# Altium PCB Hall Board.PcbDoc (part 1 of 4) (continued)
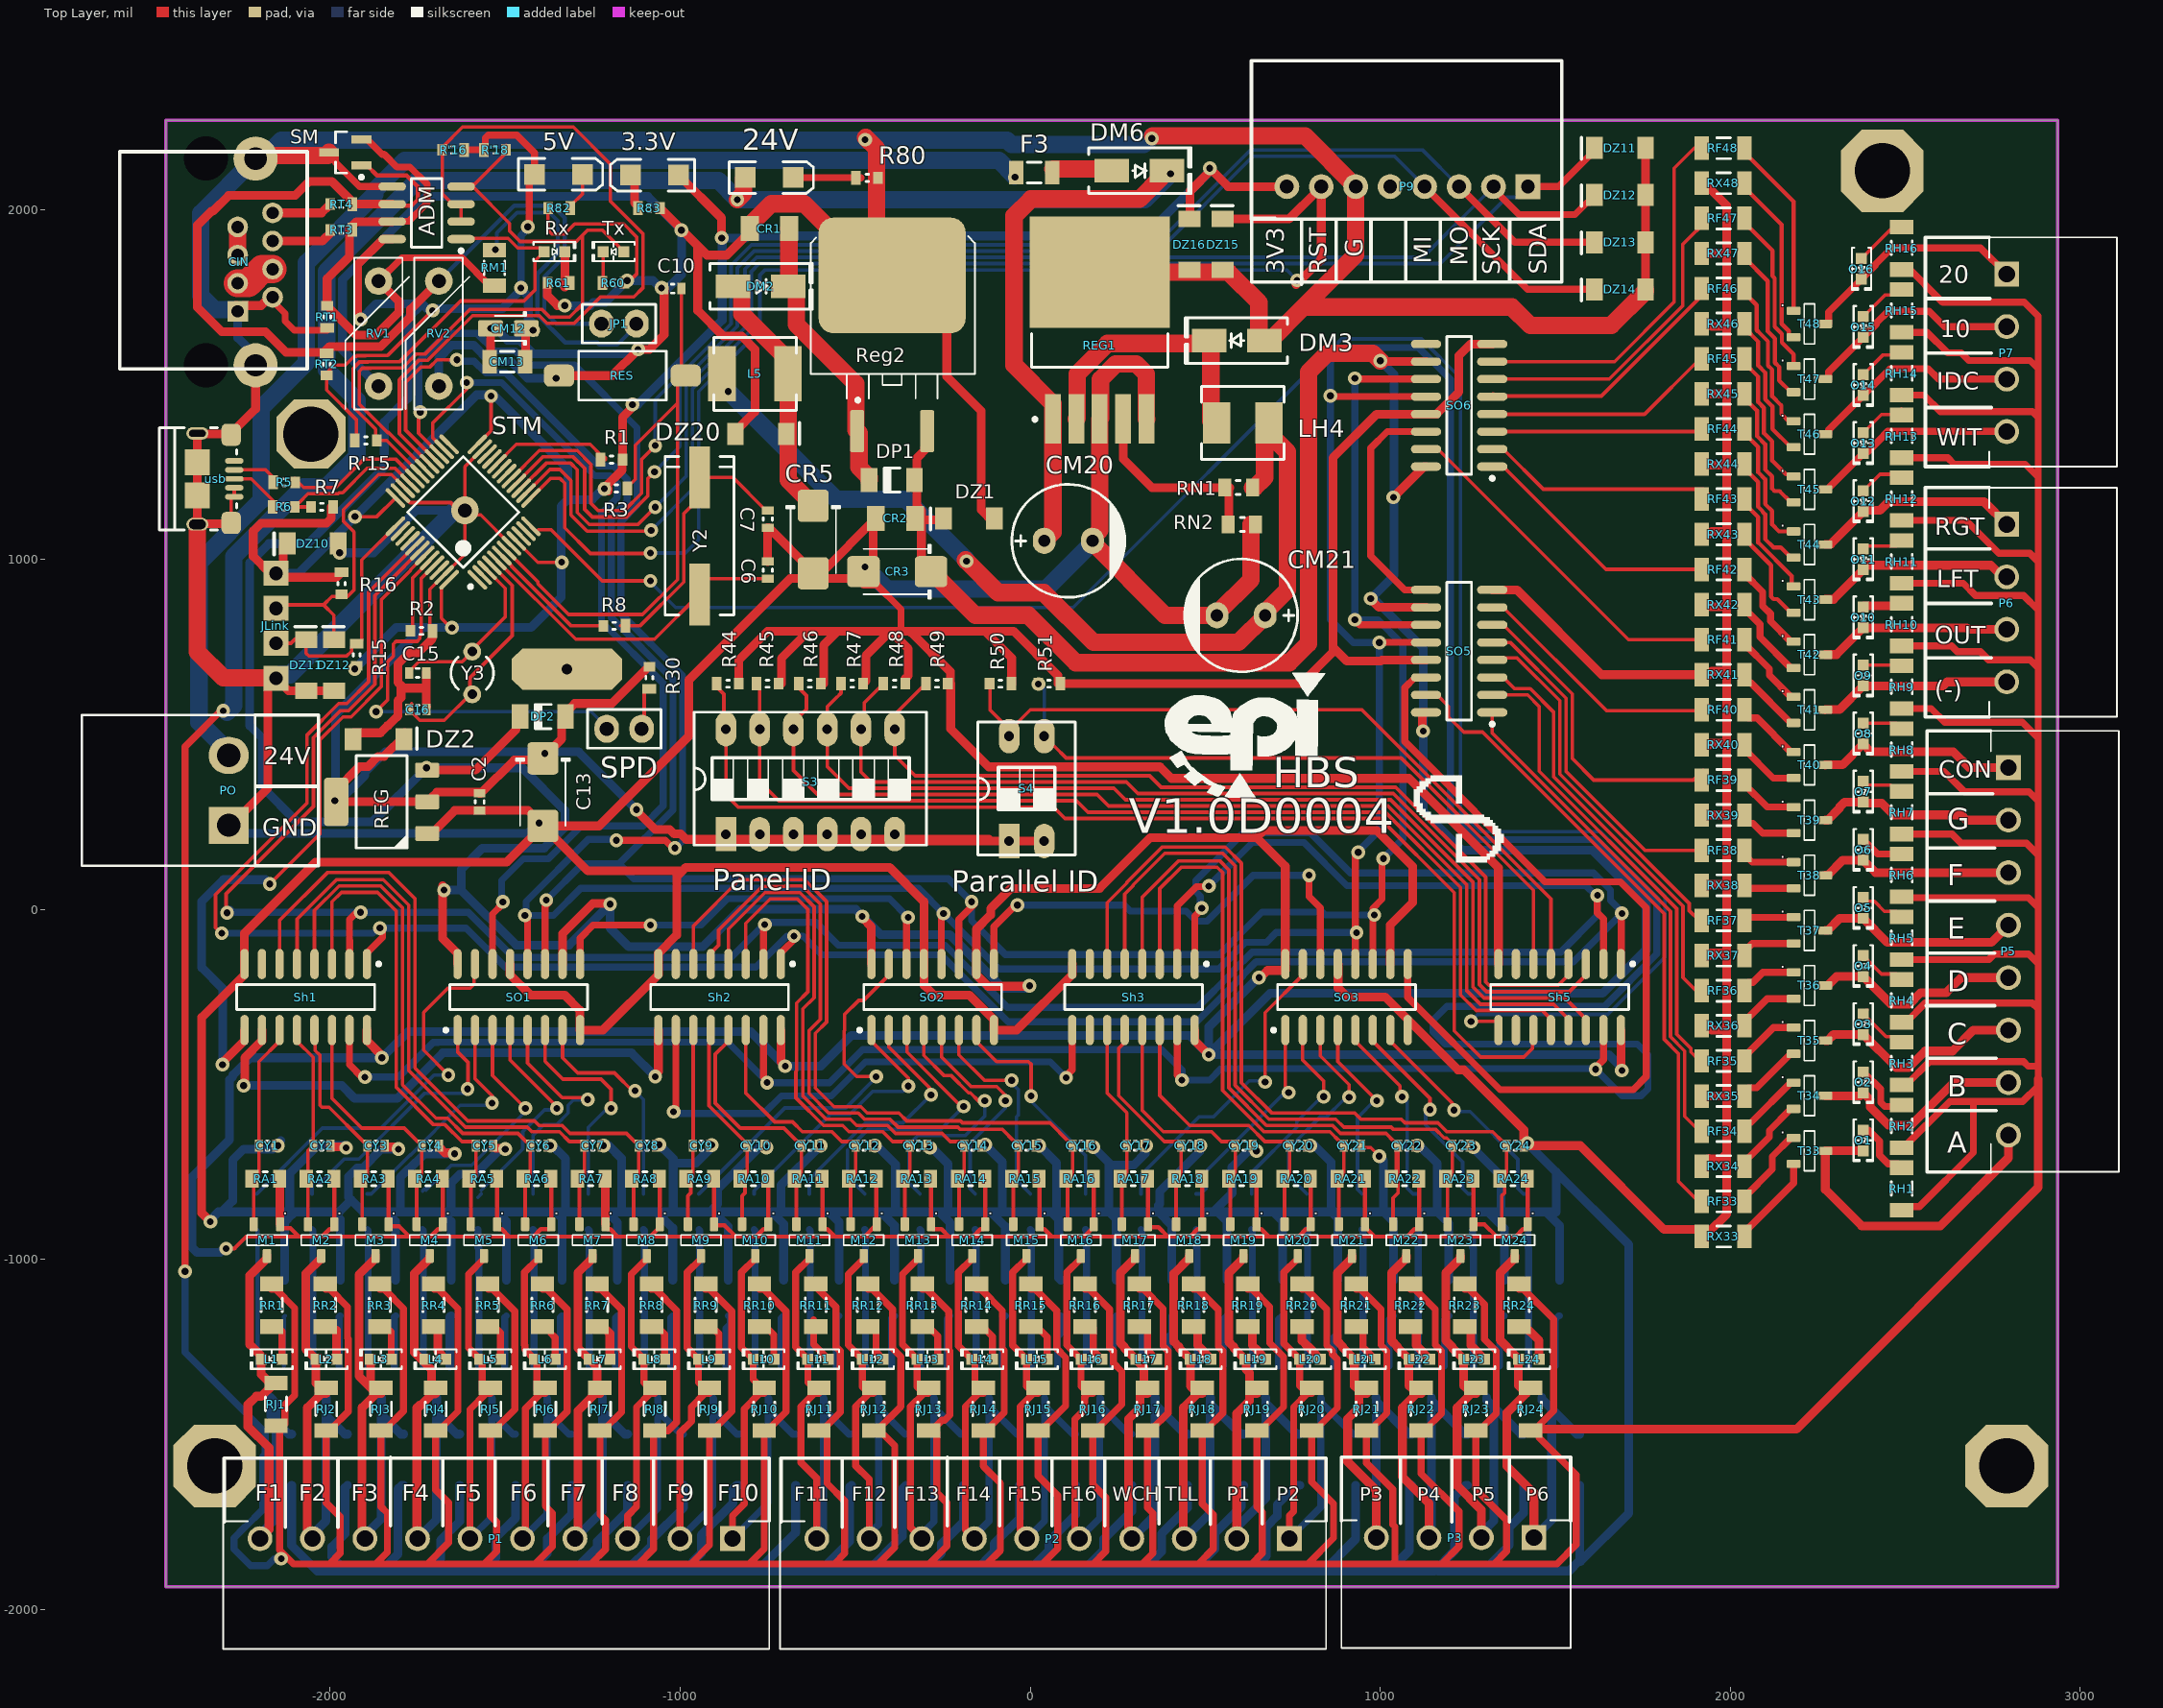
[diagram p0: Top Layer view]
## Components (designator, comment, footprint, x,y, rotation, side; value= is the part's Value field where it differs from the comment) (continued)
RX1 "20" "RES 1206" -2129.77,-1161.1 r90 bottom
RX2 "20" "RES 1206" -1971.4,-1161.1 r90 bottom
RX3 "20" "RES 1206" -1813.03,-1161.1 r90 bottom
RX4 "20" "RES 1206" -1654.65,-1161.1 r90 bottom
RX5 "20" "RES 1206" -1496.28,-1161.1 r90 bottom
RX6 "20" "RES 1206" -1337.91,-1161.1 r90 bottom
RX7 "20" "RES 1206" -1179.54,-1161.1 r90 bottom
RX8 "20" "RES 1206" -1021.17,-1161.1 r90 bottom
RX9 "20" "RES 1206" -862.8,-1161.1 r90 bottom
RX10 "20" "RES 1206" -704.43,-1161.1 r90 bottom
RX11 "20" "RES 1206" -546.06,-1161.1 r90 bottom
RX12 "20" "RES 1206" -387.69,-1161.1 r90 bottom
RX13 "20" "RES 1206" -229.32,-1161.1 r90 bottom
RX14 "20" "RES 1206" -70.95,-1161.1 r90 bottom
RX15 "20" "RES 1206" 87.42,-1161.1 r90 bottom
RX16 "20" "RES 1206" 245.79,-1161.1 r90 bottom
RX17 "20" "RES 1206" 404.16,-1161.1 r90 bottom
RX18 "20" "RES 1206" 562.53,-1161.1 r90 bottom
RX19 "20" "RES 1206" 720.9,-1161.1 r90 bottom
RX20 "20" "RES 1206" 879.27,-1161.1 r90 bottom
RX21 "20" "RES 1206" 1037.65,-1161.1 r90 bottom
RX22 "20" "RES 1206" 1196.02,-1161.1 r90 bottom
RX23 "20" "RES 1206" 1354.39,-1161.1 r90 bottom
RX24 "20" "RES 1206" 1512.76,-1161.1 r90 bottom
RX33 "20" "RES 1206" 2041.1,-934.45 r180 top
RX34 "20" "RES 1206" 2041.1,-733.84 r180 top
RX35 "20" "RES 1206" 2041.1,-533.23 r180 top
RX36 "20" "RES 1206" 2041.1,-332.62 r180 top
RX37 "20" "RES 1206" 2041.1,-132.01 r180 top
RX38 "20" "RES 1206" 2041.1,68.6 r180 top
RX39 "20" "RES 1206" 2041.1,269.21 r180 top
RX40 "20" "RES 1206" 2041.1,469.82 r180 top
RX41 "20" "RES 1206" 2041.1,670.43 r180 top
RX42 "20" "RES 1206" 2041.1,871.04 r180 top
RX43 "20" "RES 1206" 2041.1,1071.65 r180 top
RX44 "20" "RES 1206" 2041.1,1272.26 r180 top
RX45 "20" "RES 1206" 2041.1,1472.87 r180 top
RX46 "20" "RES 1206" 2041.1,1673.48 r180 top
RX47 "20" "RES 1206" 2041.1,1874.09 r180 top
RX48 "20" "RES 1206" 2041.1,2074.7 r180 top
S3 "SW DIP-6" "DIP Switch x6" -869.37,215 r90 top
S4 "SW DIP-2" "DIP Switch x2" -10,345 r0 top
Sh1 "74HC165" SO-16 -2070,-250.51 r270 top
Sh2 "74HC165" SO-16 -887.5,-250.51 r270 top
Sh3 "74HC165" SO-16 295,-250.51 r270 top
Sh5 "74HC165" SO-16 1512.74,-250.51 r270 top
SM "SM712 Diode" SOT23_BEC_M -1957.2,2162.72 r180 top
SO1 "74HCT595" SO-16 -1461.23,-250.51 r90 top
SO2 "74HCT595" SO-16 -278.73,-250.51 r90 top
SO3 "74HCT595" SO-16 903.77,-250.51 r90 top
SO5 "74HCT595" SO-16 1225.51,737.78 r180 top
SO6 "74HCT595" SO-16 1225.51,1440 r180 top
SPD "Jumper" "Jumper Small - 2.54 - GRAY" -1160,515.85 r180 top
STM "STM32F103CBT6" LQFP-48 -1620,1135 r135 top
T1 "BC848" SOT23-3 -2170,-1349.72 r270 bottom
T2 "BC848" SOT23-3 -2012.1,-1349.72 r270 bottom
T3 "BC848" SOT23-3 -1854.19,-1349.72 r270 bottom
T4 "BC848" SOT23-3 -1696.29,-1349.72 r270 bottom
T5 "BC848" SOT23-3 -1538.39,-1349.72 r270 bottom
T6 "BC848" SOT23-3 -1380.48,-1349.72 r270 bottom
T7 "BC848" SOT23-3 -1222.58,-1349.72 r270 bottom
T8 "BC848" SOT23-3 -1064.68,-1349.72 r270 bottom
T9 "BC848" SOT23-3 -906.77,-1349.72 r270 bottom
T10 "BC848" SOT23-3 -748.87,-1349.72 r270 bottom
T11 "BC848" SOT23-3 -590.97,-1349.72 r270 bottom
T12 "BC848" SOT23-3 -433.06,-1349.72 r270 bottom
T13 "BC848" SOT23-3 -275.16,-1349.72 r270 bottom
T14 "BC848" SOT23-3 -117.26,-1349.72 r270 bottom
T15 "BC848" SOT23-3 40.64,-1349.72 r270 bottom
T16 "BC848" SOT23-3 198.55,-1349.72 r270 bottom
T17 "BC848" SOT23-3 356.45,-1349.72 r270 bottom
T18 "BC848" SOT23-3 514.35,-1349.72 r270 bottom
T19 "BC848" SOT23-3 672.26,-1349.72 r270 bottom
T20 "BC848" SOT23-3 830.16,-1349.72 r270 bottom
T21 "BC848" SOT23-3 988.06,-1349.72 r270 bottom
T22 "BC848" SOT23-3 1145.97,-1349.72 r270 bottom
T23 "BC848" SOT23-3 1303.87,-1349.72 r270 bottom
T24 "BC848" SOT23-3 1461.77,-1349.72 r270 bottom
T33 "BC848" SOT23-3 2226.41,-690 r0 top
T34 "BC848" SOT23-3 2226.41,-532.5 r0 top
T35 "BC848" SOT23-3 2226.41,-375 r0 top
T36 "BC848" SOT23-3 2226.41,-217.5 r0 top
T37 "BC848" SOT23-3 2226.41,-60 r0 top
T38 "BC848" SOT23-3 2226.41,97.5 r0 top
T39 "BC848" SOT23-3 2226.41,255 r0 top
T40 "BC848" SOT23-3 2226.41,412.5 r0 top
T41 "BC848" SOT23-3 2226.41,570 r0 top
T42 "BC848" SOT23-3 2226.41,727.5 r0 top
T43 "BC848" SOT23-3 2226.41,885 r0 top
T44 "BC848" SOT23-3 2226.41,1042.51 r0 top
T45 "BC848" SOT23-3 2226.41,1200.01 r0 top
T46 "BC848" SOT23-3 2226.41,1357.51 r0 top
T47 "BC848" SOT23-3 2226.41,1515.01 r0 top
T48 "BC848" SOT23-3 2226.41,1672.51 r0 top
Tx "RED" "LED 0603/1608 RED" -1190.5,1879.17 r180 top
usb "USB Micro" "FCI USB 10118193-0001LF" -2377.53,1230.08 r90 top
Y2 "8 MHz" "Crystal SMD" -945,1089.65 r270 top
Y3 "32.768K" "XTAL RTC - Right" -1594.2,675.45 r0 top

## Footprints (in the part's own frame and the unit in brackets; to place one, negate y for a bottom-side part, rotate by r counter-clockwise, add the part's x,y. Pads: shape width x height; smd on the part's side, far side on the other; paste and mask are expansions set on the pad)
1206 [mm]
  rect 1.3x1.8 smd: 1(-1.425,0) 2(1.425,0)
  body extent -1.67,-0.87 1.68,0.87, height 0.71
"cap 03" [mil]
  oval 65x75 hole 35: 1(68.9,0) 2(-68.9,0)
  silkscreen extent -161,-161 161,161, body extent -159,-159 157,158, height 473
CAPMP3216X180N [mm] "Capacitor, polarized, Molded Body, EIA 535BAAC size A; 3.20mm L X 1.60mm W X 1.80mm H"
  round 0.508 on Mech15: 0(0,0)
  rrect25% 1.8x1.2 smd: 1(-1.3,0) 2(1.3,0)
  silkscreen extent -1.3,-1.2 1,1.2, body extent -1.6,-0.8 1.6,0.8, height 1.8
CAPMP6032X280N [mm] "Capacitor, polarized, Molded Body, EIA 535BAAC size C; 6.00mm L X 3.20mm W X 2.80mm H"
  round 0.508 on Mech15: 0(0,0)
  rrect25% 2.35x2.25 smd: 1(-2.45,0) 2(2.45,0)
  silkscreen extent -2.45,-1.95 2.45,1.95, body extent -3.87,-2.02 3.73,1.93, height 3.1
"CD45 SMD Inductor" [mm] "Wire Wound Inductor, 2-Leads, Body 4.00x5.00mm, IPC Medium Density"
  rect 2x3 smd: 1(-1.9,0) 2(1.9,0)
  silkscreen extent -3,-2.65 3,2.65, body extent -2.86,-2.6 5,2.6, height 4.5
CN_JST-B8B-S_XH [mm] "JST 2.5mm disconnectable crimp connector"
  rect 1.8x1.8 hole 1: 1(0,0)
  round 1.8 hole 1: 2(-2.5,0) 3(-5,0) 4(-7.5,0) 4(-7.5,0) 5(-10,0) 6(-12.5,0) 7(-15,0) 8(-17.5,0)
  silkscreen extent -20.07,-2.35 2.45,9.14, body extent -20.07,-2.35 2.45,9.2, height 6.1
"CN_RJ45_TYCO_ DY122-8P8C-G" [mm] "DY122-8P8C-G javan"
  rect 1.5x1.5 hole 0.9: 1(11.08,2.3)
  round 1.5 hole 0.9: 2(10.06,4.84) 3(9.04,2.3) 4(8.02,4.84) 5(7,2.3) 6(5.98,4.84) 7(4.96,2.3) 8(3.94,4.84)
  round 3.2 hole 1.63: 9(0,3.6) 9(15,3.6)
  round 0 hole 3.2: " "(0,0) " "(15,0)
  silkscreen extent -0.5,-6.25 15.25,7.35, body extent -1.75,-8.5 16.89,7.25, height 14.6
"Crystal SMD" [mm]
  rect 4.5x1.5 smd: 1(-3.683,0) 2(4.817,0)
  silkscreen extent -5.18,-2.5 6.32,2.5, body extent -5.64,-2.25 6.66,2.25, height 5.18
D2PAK-3 [mil]
  round 20 on Mech15: 0(0,0)
  rrect25% 120x40 smd: 1(222.5,-100) 3(222.5,100)
  rrect25% 330x420 smd: 4(-222.5,0)
  silkscreen extent -335,-232 139,236, body extent -361,-197 256,197, height 189
"DIP Switch x2" [mm]
  rect 1.5x2.5 hole 0.7: 1(-1.27,-3.81)
  oval 1.5x2.5 hole 0.7: 2(1.27,-3.81) 3(1.27,3.81) 4(-1.27,3.81)
  silkscreen extent -3.55,-4.82 3.52,4.83, body extent -3.25,-5.03 3.25,4.97, height 6.91
"DIP Switch x6" [mm]
  rect 2.5x1.5 hole 0.7: 1(0,0)
  oval 2.5x1.5 hole 0.7: 2(-0.01,-2.45) 3(0,-4.9) 4(0,-7.35) 5(0,-9.8) 6(0,-12.25) 7(7.62,-12.25) 8(7.62,-9.8) 9(7.62,-7.35) 10(7.62,-4.9) 11(7.62,-2.45) 12(7.62,0)
  silkscreen extent -0.8,-14.55 8.85,2.3, body extent -1.4,-14.5 8.5,2.3, height 6.6
"DO214AC SMA" [mm]
  rect 2.5x1.7 smd: 1(-2,0) 2(2,0)
  silkscreen extent -3.68,-1.65 3.75,1.65, body extent -2.6,-1.37 2.6,1.37, height 2.4
"FCI USB 10118193-0001LF" [mm]
  oval 0.4x1.35 smd: 1(1.3,-2.625) 2(0.65,-2.625) 3(0,-2.625) 4(-0.65,-2.625) 5(-1.3,-2.625)
  oval 0.9x1.6 hole 0.7 slot 1.2 at 90 deg: S(-3.3,0.05)
  rrect50% 1.6x1.4 smd: S(-3.2,-2.4) S(3.2,-2.4)
  rect 1.9x1.8 smd: S(-1.2,0.05) S(1.2,0.05)
  oval 0.9x1.6 hole 0.5 slot 1.2 at 90 deg: S(3.3,0.05)
  silkscreen extent -3.7,-2.8 3.7,2.8, body extent -3.93,-2.9 3.93,2.76, height 2.78
"Fuse SMD 1206" [mm]
  rect 1.05x1.7 smd: 1(-1.397,0.127) 2(1.199,0.127)
  silkscreen extent -0.6,-0.62 0.4,0.88, body extent -1.14,-0.51 0.89,0.76, height 0.2
"Header 1x4 male rightangle" [mm]
  rect 1.8x1.8 hole 1: 1(-2.54,0) 2(0,0) 3(2.54,0) 4(5.08,0)
  body extent -3.81,-0.38 6.35,9.98, height 2.64
"HPC6045 SMD INDUCTOR" [mm] "Wire Wound Inductor, 2-Leads, Body 4.00x5.00mm, IPC Medium Density"
  rect 2x4 smd: 1(-2.4,0) 2(2.4,0)
  silkscreen extent -3,-2.65 3,2.65, body extent -2.86,-2.6 5,2.6, height 4.5
"Jumper Small - 2.54 - GRAY" [mil]
  oval 70x80 hole 40: 1(-50,0) 2(50,0)
  silkscreen extent -105,-55 105,55, body extent -100,-50 100,50, height 337
"LED 0603/1608 RED" [mm]
  rect 0.8x0.8 smd: 1(-0.75,0) 2(0.75,0)
  silkscreen extent -1.52,-0.7 1.52,0.7, body extent -0.8,-0.4 0.8,0.4, height 0.53
"LED SMD 1206" [mm]
  rect 1.5x1.5 smd: 1(-1.75,0) 2(1.75,0)
  silkscreen extent -2.9,-1.15 3.2,1.15, body extent -1.65,-0.76 1.65,0.69, height 1.36
LL4148 [mm] "MELF Diode, 2-Leads, Body 3.5x1.4mm, IPC Medium Density"
  rect 1.2x1.75 smd: 1(-1.65,0) 2(1.65,0)
  silkscreen extent -0.61,-0.87 0.57,0.87, body extent -1.78,-0.75 1.72,0.75, height 1.55
LQFP-48 [mm] "TSQFP, 48-Leads, Body 9,0x9,0mm (max), Pitch 0,50mm, IPC Medium Density"
  oval 1.9x0.3 smd: 1(-4.2,2.75) 2(-4.2,2.25) 3(-4.2,1.75) 4(-4.2,1.25) 5(-4.2,0.75) 6(-4.2,0.25) 7(-4.2,-0.25) 8(-4.2,-0.75) 9(-4.2,-1.25) 10(-4.2,-1.75) 11(-4.2,-2.25) 12(-4.2,-2.75) 25(4.2,-2.75) 26(4.2,-2.25) 27(4.2,-1.75) 28(4.2,-1.25) 29(4.2,-0.75) 30(4.2,-0.25) 31(4.2,0.25) 32(4.2,0.75) 33(4.2,1.25) 34(4.2,1.75) 35(4.2,2.25) 36(4.2,2.75)
  oval 0.3x1.9 smd: 13(-2.75,-4.2) 14(-2.25,-4.2) 15(-1.75,-4.2) 16(-1.25,-4.2) 17(-0.75,-4.2) 18(-0.25,-4.2) 19(0.25,-4.2) 20(0.75,-4.2) 21(1.25,-4.2) 22(1.75,-4.2) 23(2.25,-4.2) 24(2.75,-4.2) 37(2.75,4.2) 38(2.25,4.2) 39(1.75,4.2) 40(1.25,4.2) 41(0.75,4.2) 42(0.25,4.2) 43(-0.25,4.2) 44(-0.75,4.2) 45(-1.25,4.2) 46(-1.75,4.2) 47(-2.25,4.2) 48(-2.75,4.2)
  silkscreen extent -4.32,-2.85 2.85,3.57, body extent -4.5,-4.5 4.5,4.5, height 1.5
Minimelf [mm]
  rect 1.2x1.6 smd: 1(-1.85,-0.013) 2(1.85,-0.013)
  silkscreen extent 2.8,-0.75 2.8,0.8, body extent -1.85,-0.77 1.85,0.8, height 1.6
"phonix 2pin right 5.08" [mil]
  rect 115x105 hole 66: 1(0,100)
  oval 115x105 hole 66: 2(0,-100)
  silkscreen extent -76,-215 420,215, body extent -60,-199 410,208, height 310
"phonix 4pin right 3.81" [mm]
  rect 1.8x1.8 hole 1.2: 1(0,0)
  round 1.8 hole 1.2: 2(0,-3.81) 3(0,-7.62) 4(0,-11.43)
  silkscreen extent -1.27,-13.97 8,2.67, body extent -1.2,-14.03 8,2.6, height 7.32
"phonix 8pin right 3.81" [mm]
  rect 1.8x1.8 hole 1.2: 1(0,0)
  round 1.8 hole 1.2: 2(0,-3.81) 3(0,-7.62) 4(0,-11.43) 5(0,-15.24) 6(0,-19.05) 7(0,-22.86) 8(0,-26.67)
  silkscreen extent -1.27,-29.34 8,2.67, body extent -1.2,-29.27 8,2.6, height 7.32
"phonix 10pin right 3.81" [mm]
  rect 1.8x1.8 hole 1.2: 1(0,0)
  round 1.8 hole 1.2: 2(0,-3.81) 3(0,-7.62) 4(0,-11.43) 5(0,-15.24) 6(0,-19.05) 7(0,-22.86) 8(0,-26.67) 9(0,-30.48) 10(0,-34.29)
  silkscreen extent -1.27,-36.96 8,2.67, body extent -1.2,-36.89 8,2.6, height 7.32
"RES 0603" [mm] "Chip Resistor, 2-Leads, Body 1.6x0.8mm, IPC High Density _ (0.063W)"
  rect 0.7x0.85 smd: 1(0,0)
  rect 0.7x1 smd: 2(1.6,0)
  silkscreen extent 0.69,-0.25 0.89,0.25, body extent 0,-0.38 1.52,0.38, height 0.45
"RES 0805" [mm] "Chip Resistor, 2-Leads, Body 2.0x1.3mm, IPC High Density _ (0.100 W)"
  rect 0.95x1.3 smd: 1(0,0) 2(2,0)
  silkscreen extent 0.89,-0.51 1.19,0.51, body extent 0,-0.63 2.03,0.64, height 0.6
"RES 1206" [mm] "Chip Resistor, 2-Leads, Body 3.2x1.6mm, IPC High Density _ (0.125 W)"
  rect 1.05x1.7 smd: 1(0,0) 2(3.1,0)
  silkscreen extent 1.02,-0.76 2.02,0.76, body extent 0,-0.76 3.05,0.76, height 0.6
"RES 1206 (3216X08L)" [mm]
  rect 1.05x1.7 smd: 1(0,0) 2(2.596,0)
  silkscreen extent 0.8,-0.75 1.8,0.75, body extent -0.23,-0.76 2.82,0.76, height 0.6
SMD_CAP_0603 [mm]
  rect 0.6x0.85 smd: 1(-0.622,0) 2(0.622,0)
  silkscreen extent -0.1,-0.33 0.1,0.33, body extent -0.76,-0.38 0.76,0.38, height 0.6
SMD_CAP_1206 [mm]
  rect 1.05x1.7 smd: 1(0,0) 2(2.596,0)
  silkscreen extent 0.8,-0.75 1.8,0.75, body extent -0.22,-0.77 2.82,0.75, height 0.75
SO8_NARROW_N [mm]
  oval 2x0.6 smd: 1(-2.5,1.905) 2(-2.5,0.635) 3(-2.5,-0.635) 4(-2.5,-1.905) 5(2.5,-1.905) 6(2.5,-0.635) 7(2.5,0.635) 8(2.5,1.905)
  silkscreen extent -2.63,-2.5 1.1,2.88, body extent -3.12,-2.39 3.07,2.44, height 1.7
SO-16 [mm]
  oval 2.2x0.6 smd: 1(-2.4,4.445) 2(-2.4,3.175) 3(-2.4,1.905) 4(-2.4,0.635) 5(-2.4,-0.635) 6(-2.4,-1.905) 7(-2.4,-3.175) 8(-2.4,-4.445) 9(2.4,-4.445) 10(2.4,-3.175) 11(2.4,-1.905) 12(2.4,-0.635) 13(2.4,0.635) 14(2.4,1.905) 15(2.4,3.175) 16(2.4,4.445)
  silkscreen extent -2.52,-5 0.9,5.42, body extent -3.1,-5.08 3.1,5.08, height 1.73
SOT23-3 [mm]
  round 0.5 on Mech15: 0(0,0)
  rrect25% 1x0.6 smd: 1(-1.15,0.95) 2(-1.15,-0.95) 3(1.15,0)
  silkscreen extent -0.38,-1.45 0.38,1.45, body extent -1.4,-1.45 1.4,1.45, height 1.29
SOT23_BEC_M [mm] "SOT23, 3-Leads, Body 2.9x1.3mm, Pitch 0.95mm, Lead Span 2.4mm, IPC Low Density"
  rect 1.45x0.6 smd: 1(-1.175,0.95) 2(-1.175,-0.95) 3(1.175,0)
  silkscreen extent -1.3,-1.5 0.7,1.92, body extent -1.23,-1.45 1.07,1.45, height 1
SOT223 [mm] "SOT223 /SC-73"
  round 1 on Mech15: 0(0,0)
  rrect25% 1.75x1.1 smd: 1(-3.3,2.3) 2(-3.3,0) 3(-3.3,-2.3)
  rrect25% 1.75x3.5 smd: 4(3.3,0)
  silkscreen extent -1.85,-3.35 1.85,3.35, body extent -3.65,-3.35 3.65,3.35, height 1.8
"TE FSMSMTR" [mm]
  rrect50% 1.6x2.19 smd: 1(0,4.595) 2(0,-4.595)
  silkscreen extent -1.78,-3.17 1.78,3.17, body extent -1.75,-4.98 1.75,4.98, height 4.42
TO-263-5 [mm]
  rect 3.6x1.15 smd: 1(-6.45,3.4) 2(-6.45,1.7) 3(-6.45,0) 4(-6.45,-1.7) 5(-6.45,-3.4)
  rect 8.1x10.15 smd paste-5: 6(4.2,0)
  silkscreen extent -6.6,-4.95 -0.25,4.95, body extent -7.31,-5.08 7.33,5.08, height 4.57
"Varistor Short Hieght - Vertical" [mm]
  round 2 hole 1: 1(3.81,0) 2(-3.81,0)
  silkscreen extent -5.5,-2.41 5.5,2.22, body extent -5.5,-1.78 5.5,1.74, height 12
"XTAL RTC - Right" [mm]
  round 1.3 hole 0.7: 1(0,1.55) 2(0,-1.55)
  oct 8x3 hole 0.762: 3(6.878,0.276)
  silkscreen extent -1.55,-1.19 1.55,1.17, body extent -0.54,-1.44 10.23,2.01, height 3.1

## Part data
3.3V 5V 24V L1 L2 L3 L4 L5 L6 L7 L8 L9 L10 L11 L12 L13 L14 L15 L16 L17 L18 L19 L20 L21 L22 L23 L24 O1 O2 O3 O4 O5 O6 O7 O8 O9 O10 O11 O12 O13 O14 O15 O16 Rx Tx: library part LED, "Chip LED"
  Rx Tx: Price=845
ADM: library part MAX485CPA, Price=14700
C2 CY1 CY2 CY3 CY4 CY5 CY6 CY7 CY8 CY9 CY10 CY11 CY12 CY13 CY14 CY15 CY16 CY17 CY18 CY19 CY20 CY21 CY22 CY23 CY24: library part Cap-Bipolar, "Bipolar Capacitor", Voltage=35V, Price=2800
C6 C7 C10 C15 C16 CM13: library part Cap-Bipolar, "Bipolar Capacitor", Voltage=100V
  C6 C7: ComponentLink1Description="Buy Link", ComponentLink1URL=http://nikushop.com/index.php?id_product=9033&controller=product, Price=902
  C10: ComponentLink1Description="Buy Link", ComponentLink1URL=http://nikushop.com/index.php?id_product=13570&controller=product&search_query=1uF-0603&results=1, Price=2346
  C15 C16: ComponentLink1Description="Buy Link", ComponentLink1URL=http://nikushop.com/index.php?id_product=9021&controller=product&search_query=10PF-0603&results=1, Price=1173
  CM13: Adding Date=1387/12/20, Designer="Saeid Jorablo", Organazation=ControTec
C13: library part Cap-Polar, "Polar Capacitor", Voltage=6V, Price=0
CM12 CR3 CR5: library part Cap-Polar, "Polar Capacitor", Voltage=16V, Adding Date=1387/12/20, Designer="Saeid Jorablo", Organazation=ControTec
CM20: library part Cap-Polar, "Polar Capacitor", Voltage=63V, Adding Date=1387/12/20, Designer="Saeid Jorablo", Organazation=ControTec
CM21: library part Cap-Polar, "Polar Capacitor", Voltage=25V, Adding Date=1387/12/20, Designer="Saeid Jorablo", Organazation=ControTec
CR1 CR2: library part Cap-Bipolar, "Bipolar Capacitor", Voltage=50V, Price=753
DM2 DM3 DM6 DP1 DP2: library part "Diode 1N4148", "High Conductance Fast Diode", Code_JEDEC=DO-204-AH, ComponentLink1Description="Manufacturer Link", ComponentLink1URL=http://www.fairchildsemi.com/, ComponentLink2Description=Datasheet, ComponentLink2URL=http://www.fairchildsemi.com/ds/1N%2F1N4148.pdf, DatasheetVersion=1997, LatestRevisionDate=17-Jul-2002, LatestRevisionNote="Re-released for DXP Platform.", PackageDescription="Diode, Axial; Body 3.8 x 1.9 mm (LxDia. max), Lead Dia. 0.53 mm (max)", PackageReference=DO-35, Published=8-Jun-2000, Publisher="Altium Limited"
DT1 DT2 DT3 DT4 DT5 DT6 DT7 DT8 DT9 DT10 DT11 DT12 DT13 DT14 DT15 DT16 DT17 DT18 DT19 DT20 DT21 DT22 DT23 DT24: library part "D Zener", "Zener Diode", Voltage=30, Price=1840
DZ1 DZ2 DZ10 DZ11 DZ11 DZ12 DZ12 DZ13 DZ14 DZ15 DZ16 DZ20: library part "D Zener", "Zener Diode", Voltage=5.1, Price=1840
F3: library part "Fuse 2", "Fuse", Current=0.5A, LatestRevisionDate=17-Jul-2002, LatestRevisionNote="Re-released for DXP Platform.", PackageDescription="Thru-Hole; 2 Leads", PackageReference=PIN-W2/E2.8, Published=8-Jun-2000, Publisher="Altium Limited"
JLink: library part "Header 1*4"
M1 M2 M3 M4 M5 M6 M7 M8 M9 M10 M11 M12 M13 M14 M15 M16 M17 M18 M19 M20 M21 M22 M23 M24: library part 2N7002ET1G, Manufacturer="On Semiconductor", Package Type=SOT-23-3, Supplier Part Number 1=2N7002ET1GOSTR-ND, Channel Polarity="N Channel", Ciss Typ (pF)=26.7, ComponentLink1Description="Manufacturer URL", ComponentLink1URL=http://www.onsemi.com/, ComponentLink2Description=Datasheet, ComponentLink2URL=http://www.onsemi.com/pub_link/Collateral/2N7002E-D.PDF, ComponentLink3Description="Package Specification", ComponentLink3URL=http://www.onsemi.cn/pub_link/Collateral/318-08.PDF, Configuration=Single, Coss Typ (pF)=4.6, Crss Typ (pF)=2.9, DatasheetVersion="Rev. 3", ID Max (A)=0.31, Mounting Technology="Surface Mount", PackageDescription="3-Pin Small Outline Transistor, Body 2.92 x 1.3 mm, Pitch 0.95 mm", PackageReference=SOT-23-3-318-08, PackageVersion="Rev. AP, 11/2009", Packing="Tape and Reel", PartNumber=2N7002ET1G, RoHS=Pb-Free, Supplier 1=Digi-Key, Supplier 2=Digi-Key, Supplier 3=Digi-Key, Supplier 4=Farnell, Supplier 5=Farnell, Supplier 6=Newark, Supplier 7=Newark, Supplier 8=Mouser, Supplier Part Number 2=2N7002ET1GOSCT-ND, Supplier Part Number 3=2N7002ET1GOSDKR-ND, Supplier Part Number 4=2317895, Supplier Part Number 5=2317616, Supplier Part Number 6=09R9861, Supplier Part Number 7=50M2216, Supplier Part Number 8=863-2N7002ET1G, V(BR)DSS Min (V)=60, VGS(th) Max (V)=2.5, VGS Max (V)=20
P1 P2: library part "Header 1x10"
P3 P6 P7: library part "Header 1x4"
P5 P9: library part "Header 1x8"
PO: "Header, 2-Pin", LatestRevisionDate=17-Jul-2002, LatestRevisionNote="Re-released for DXP Platform.", Publisher="Altium Limited"
R1 R2 R3 R5 R6 R7 R15 R16 R30 R44 R45 R46 R47 R48 R49 R50 R51 RA1 RA2 RA3 RA4 RA5 RA6 RA7 RA8 RA9 RA10 RA11 RA12 RA13 RA14 RA15 RA16 RA17 RA18 RA19 RA20 RA21 RA22 RA23 RA24 RH1 RH2 RH3 RH4 RH5 RH6 RH7 RH8 RH9 RH10 RH11 RH12 RH13 RH14 RH15 RH16 RJ1 RJ2 RJ3 RJ4 RJ5 RJ6 RJ7 RJ8 RJ9 RJ10 RJ11 RJ12 RJ13 RJ14 RJ15 RJ16 RJ17 RJ18 RJ19 RJ20 RJ21 RJ22 RJ23 RJ24 RR1 RR2 RR3 RR4 RR5 RR6 RR7 RR8 RR9 RR10 RR11 RR12 RR13 RR14 RR15 RR16 RR17 RR18 RR19 RR20 RR21 RR22 RR23 RR24 RX1 RX2 RX3 RX4 RX5 RX6 RX7 RX8 RX9 RX10 RX11 RX12 RX13 RX14 RX15 RX16 RX17 RX18 RX19 RX20 RX21 RX22 RX23 RX24 RX33 RX34 RX35 RX36 RX37 RX38 RX39 RX40 RX41 RX42 RX43 RX44 RX45 RX46 RX47 RX48: library part Resistor, "Resistor"
  R1 R2 R3 R15 R16 R30 R44 R45 R46 R47 R48 R49 R50 R51: ComponentLink1Description="Buy Link", ComponentLink1URL=http://www.roboeq.ir/products/detail/%D9%85%D9%82%D8%A7%D9%88%D9%85%D8%AA%2010%20%DA%A9%DB%8C%D9%84%D9%88%20%D8%A7%D9%87%D9%85%20SMD%200603/, Price=394
  R5 R6: ComponentLink1Description="Buy Link", ComponentLink1URL="20R Resistor R5, R6 RES 0603 (1608X06L) Resistor 2 276 552 http://nikushop.com/index.php?id_product=13587&controller=product", Price=276
  R7: ComponentLink1Description="Buy Link", ComponentLink1URL=http://kaelectronic.ir/index.php?route=product/product&product_id=6863&search=15kohm+0603, Price=597
  RA1 RA2 RA3 RA4 RA5 RA6 RA7 RA8 RA9 RA10 RA11 RA12 RA13 RA14 RA15 RA16 RA17 RA18 RA19 RA20 RA21 RA22 RA23 RA24 RH1 RH2 RH3 RH4 RH5 RH6 RH7 RH8 RH9 RH10 RH11 RH12 RH13 RH14 RH15 RH16 RJ1 RJ2 RJ3 RJ4 RJ5 RJ6 RJ7 RJ8 RJ9 RJ10 RJ11 RJ12 RJ13 RJ14 RJ15 RJ16 RJ17 RJ18 RJ19 RJ20 RJ21 RJ22 RJ23 RJ24 RR1 RR2 RR3 RR4 RR5 RR6 RR7 RR8 RR9 RR10 RR11 RR12 RR13 RR14 RR15 RR16 RR17 RR18 RR19 RR20 RR21 RR22 RR23 RR24 RX1 RX2 RX3 RX4 RX5 RX6 RX7 RX8 RX9 RX10 RX11 RX12 RX13 RX14 RX15 RX16 RX17 RX18 RX19 RX20 RX21 RX22 RX23 RX24 RX33 RX34 RX35 RX36 RX37 RX38 RX39 RX40 RX41 RX42 RX43 RX44 RX45 RX46 RX47 RX48: Price=617
R8 R60 R61 R80 R82 R83 R'15 R'16 R'18 RF1 RF2 RF3 RF4 RF5 RF6 RF7 RF8 RF9 RF10 RF11 RF12 RF13 RF14 RF15 RF16 RF17 RF18 RF19 RF20 RF21 RF22 RF23 RF24 RF33 RF34 RF35 RF36 RF37 RF38 RF39 RF40 RF41 RF42 RF43 RF44 RF45 RF46 RF47 RF48 RM1 RN1 RN2 RT1 RT2 RT3 RT4: library part Resistor, "Resistor", Power=1/4W
  R60 R61: Price=276
  R'15 R'16 R'18 RM1 RT1 RT2 RT3 RT4: Price=394
  RN1: Price=506
  RN2: Price=680
REG: library part REG1117A-2.5/2K5, ")", ComponentLink1Description="Manufacturer URL", ComponentLink1URL=http://www.ti.com/, ComponentLink2Description=Datasheet, ComponentLink2URL=http://www.ti.com/general/docs/lit/getliterature.tsp?genericPartNumber=REG1117A-25&fileType=pdf, ComponentLink3Description="Package Specification", ComponentLink3URL=http://www.ti.com/litv/pdf/mpds094a, Price=4200
REG1: library part LM2596, Price=5700
Reg2: "Voltage Regulator IC, D2PAK SMD, L7805", Manufacturer 1="ON Semiconductor", Package / Case=D2PAK, Ratings="40V; 1.5A", Supplier Part Number 1=LM317D2TGOS-ND, Tolerance=0.04%, Voltage Regulator Type="Adjustable Positive Linear", Manufacturer Part Number 1=L7805, SCDType=spec*, Supplier 1=Digi-Key
RES: library part "SPST-NO 2 PIN", ComponentLink1Description="Buy Link", ComponentLink1URL=https://eshop.eca.ir/%D8%AA%DA%A9-%D8%B3%D9%88%D8%A6%DB%8C%DA%86/6472-%D8%AA%DA%A9-%D8%B3%D9%88%D8%A6%DB%8C%DA%86-smd-%D8%B3%D8%A7%DB%8C%D8%B2-3x6x25-%D8%B2%D8%B1%D8%AF-%D8%A8%D8%B3%D8%AA%D9%87-10-%D8%AA%D8%A7%DB%8C%DB%8C.html, Price=1900
RV1 RV2: library part "Res Varistor", "Varistor (Voltage-Sensitive Resistor)", Code_IPC=RESC2012, LatestRevisionDate=29-May-2009, LatestRevisionNote="IPC-7351 Footprint Added.", PackageDescription="Chip Resistor 0805 Case Size", PackageReference=6-0805, PackageVersion=Mar-2003, Published=24-Mar-1999, Publisher="Altium Limited"
S3: "DIP Switch, 6 Position, SPST", LatestRevisionDate=17-Jul-2002, LatestRevisionNote="Re-released for DXP Platform.", PackageDescription="DIP Switch; 12 Leads", PackageReference=DIP-12/SW, Published=24-Mar-1999, Publisher="Altium Limited"
S4: "DIP Switch, 2 Position, SPST", LatestRevisionDate=17-Jul-2002, LatestRevisionNote="Re-released for DXP Platform.", PackageReference=DIP-4, Published=24-Mar-1999, Publisher="Altium Limited"
STM: "STM32 ARM-based 32-bit MCU with 128 Kbytes Flash, 48-pin LQFP, Industrial Temperature", ComponentLink1Description="Manufacturer Link", ComponentLink1URL=www.st.com/stm32, ComponentLink2Description=Datasheet, ComponentLink2URL=http://www.st.com/stonline/products/literature/ds/13587.pdf, DatasheetVersion="rev6, Mar-2008", PackageDescription="48-Pin Low-Profile Quad Flat Pack, 7 x 7 mm Body, 0.5 mm Pitch (LQFP48)", PackageReference=LQFP48, PackageVersion=Mar-2008, Published=30-May-2008, Publisher="Altium Limited"
T1 T2 T3 T4 T5 T6 T7 T8 T9 T10 T11 T12 T13 T14 T15 T16 T17 T18 T19 T20 T21 T22 T23 T24 T33 T34 T35 T36 T37 T38 T39 T40 T41 T42 T43 T44 T45 T46 T47 T48: library part NPN_MMBT3904, "Transistor SMD NPN 40V 0.2A 250mW SOT-23", Manufacturer 1="Fairchild Semiconductor", Manufacturer 2="NXP Semiconductors", Manufacturer Part Number 2=PMBT3904,215, Package / Case=SOT-23, Ratings="40V; 200mA; 250mW", Supplier Part Number 1=MMBT3904FSCT-ND, ComponentLink1Description=http://www.fairchildsemi.com/ds/MM/MMBT3904.pdf, ComponentLink1URL=http://www.fairchildsemi.com/ds/MM/MMBT3904.pdf, ComponentLink2Description=http://www.nxp.com/documents/data_sheet/PMBT3904.pdf, ComponentLink2URL=http://www.nxp.com/documents/data_sheet/PMBT3904.pdf, Manufacturer Part Number 1=BC848, Material=Si, Mounting Type="Surface Mount", SCDType=source, Supplier 1=Digi-Key, Supplier 2=Digi-Key, Supplier Part Number 2=568-1741-1-ND, Transistor Type=NPN
usb: library part "USB 2.0 Type B Micro", ComponentLink1Description="Buy Link", ComponentLink1URL=http://nikushop.com/index.php?id_product=11066&controller=product, Price=14934
Y2 Y3: library part XTAL, "XTAL Crystal"
  Y2: Price=20000
  Y3: ComponentLink1Description="Buy Link", ComponentLink1URL=http://www.roboeq.ir/products/detail/%DA%A9%D8%B1%DB%8C%D8%B3%D8%AA%D8%A7%D9%84%2032.768%20%DA%A9%DB%8C%D9%84%D9%88%D9%87%D8%B1%D8%AA%D8%B2/, Price=5900
JP1 SPD: Company=E.P.I.L, Defualt State=Close, Design Date=2011/11/02
L5 LH4: Code_IEC=1005, Code_JEITA=0402, LatestRevisionDate=29-May-2009, LatestRevisionNote="IPC-7351 Footprint Added.", PackageDescription="Chip Inductor", PackageReference=0402-A, Published=8-Jun-2000, Publisher="Altium Limited"
Sh1 Sh2 Sh3 Sh5: Price=16000

## Free pads (board coordinates)
  oct 236.22x236.22 hole 157.48: 0(-2330,-1590) 0(2434.56,2110) 0(2790,-1590)
  oct 196.85x196.85 hole 157.48: 0(-2055,1358.03)

## Via types
v1: diameter 39.37, hole 19.68, Top Layer to Bottom Layer, 154 vias
v2: diameter 78.74, hole 39.37, Top Layer to Bottom Layer, 1 vias